# Altium PCB Copy of ECU rev B pcb.PcbDoc (part 2 of 5)
Units mm, origin at the board's own origin, x right, y up, seen from the top; angles counter-clockwise.
Board outline 142 x 125.42 mm, 4 copper layers (Top Layer, GND, Power, Bottom Layer), stack 0.603 mm thick; 577 components, 350 nets, 1799 pads, 656 vias.
Unrouted connection lines stored in the file: 28.
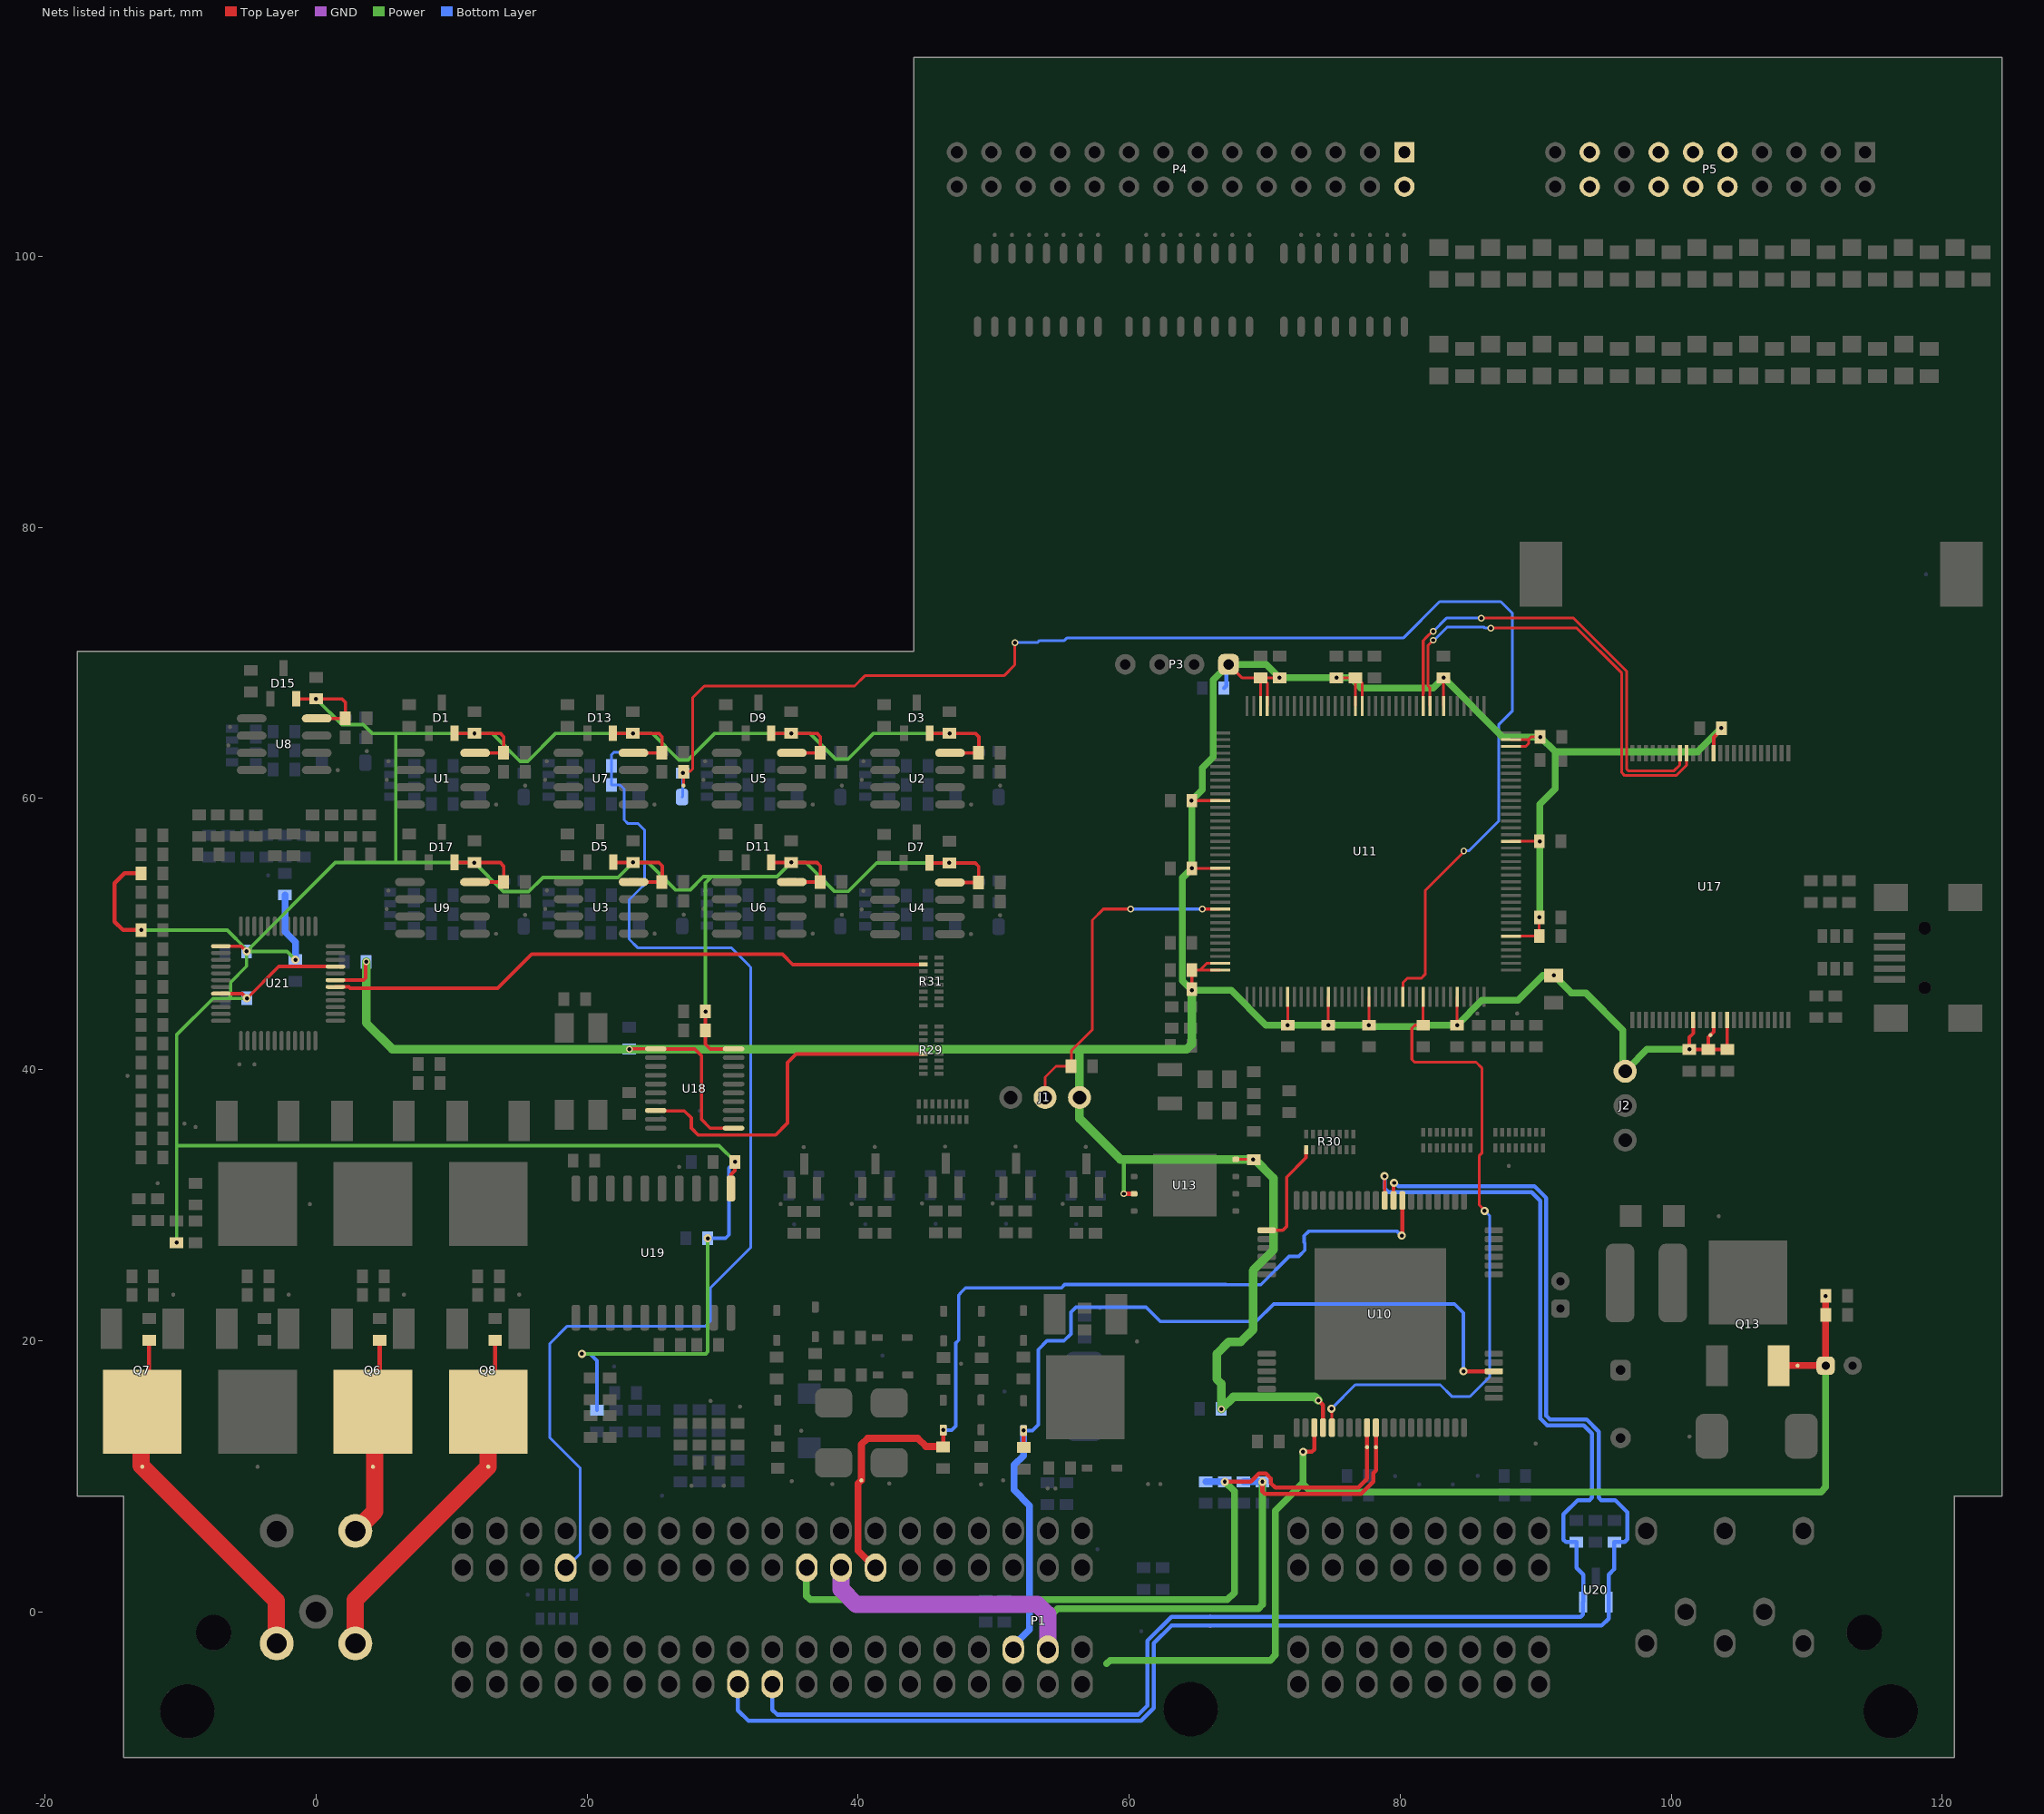
[diagram p4: the nets of this part, all layers, seen from the top]

## Components (designator, comment, footprint, x,y, rotation, side; value= is the part's Value field where it differs from the comment) (continued)
TP77 "TestPoint" TESTPOINT 34.286,30.087 r180 top (schematic designator TP51)
TP78 "TestPoint" TESTPOINT 80.293,101.581 r180 top (schematic designator TP69)
TP79 "TestPoint" TESTPOINT 79.04,101.581 r180 top (schematic designator TP70)
TP80 "TestPoint" TESTPOINT 77.77,101.581 r180 top (schematic designator TP71)
TP81 "TestPoint" TESTPOINT 76.5,101.581 r180 top (schematic designator TP72)
TP82 "TestPoint" TESTPOINT 75.23,101.581 r180 top (schematic designator TP73)
TP83 "TestPoint" TESTPOINT 73.96,101.581 r180 top (schematic designator TP74)
TP84 "TestPoint" TESTPOINT 72.69,101.581 r180 top (schematic designator TP75)
TP85 "TestPoint" TESTPOINT 68.88,101.581 r180 top (schematic designator TP83)
TP86 "TestPoint" TESTPOINT 57.704,101.581 r180 top (schematic designator TP76)
TP87 "TestPoint" TESTPOINT 67.61,101.581 r180 top (schematic designator TP84)
TP88 "TestPoint" TESTPOINT 56.434,101.581 r180 top (schematic designator TP77)
TP89 "TestPoint" TESTPOINT 66.34,101.581 r180 top (schematic designator TP85)
TP90 "TestPoint" TESTPOINT 55.164,101.581 r180 top (schematic designator TP78)
TP91 "TestPoint" TESTPOINT 65.07,101.581 r180 top (schematic designator TP86)
TP92 "TestPoint" TESTPOINT 53.894,101.581 r180 top (schematic designator TP79)
TP93 "TestPoint" TESTPOINT 63.8,101.581 r180 top (schematic designator TP87)
TP94 "TestPoint" TESTPOINT 52.624,101.581 r180 top (schematic designator TP80)
TP95 "TestPoint" TESTPOINT 62.53,101.581 r180 top (schematic designator TP88)
TP96 "TestPoint" TESTPOINT 51.354,101.581 r180 top (schematic designator TP81)
TP97 "TestPoint" TESTPOINT 61.26,101.581 r180 top (schematic designator TP89)
TP98 "TestPoint" TESTPOINT 50.084,101.581 r180 top (schematic designator TP82)
TP99 "TestPoint" TESTPOINT 26.797,32.821 r90 top (schematic designator TP53)
TP100 "TestPoint" TESTPOINT 25.527,40.259 r90 bottom (schematic designator TP54)
TP101 "TestPoint" TESTPOINT 24.511,36.957 r90 bottom (schematic designator TP55)
TP102 "TestPoint" TESTPOINT 25.4,37.592 r90 bottom (schematic designator TP56)
TP103 "TestPoint" TESTPOINT 25.526,36.449 r90 bottom (schematic designator TP57)
TP104 "TestPoint" TESTPOINT 28.321,36.957 r90 bottom (schematic designator TP58)
TP105 "TestPoint" TESTPOINT 4.201,10.704 r270 top (schematic designator TP30)
TP106 "TestPoint" TESTPOINT 6.487,23.404 r270 top (schematic designator TP29)
TP107 "TestPoint" TESTPOINT -12.817,10.704 r270 top (schematic designator TP30)
TP108 "TestPoint" TESTPOINT -10.531,23.404 r270 top (schematic designator TP29)
TP109 "TestPoint" TESTPOINT 12.71,10.704 r270 top (schematic designator TP30)
TP110 "TestPoint" TESTPOINT 14.996,23.404 r270 top (schematic designator TP29)
TP111 "TestPoint" TESTPOINT -4.308,10.704 r270 top (schematic designator TP30)
TP112 "TestPoint" TESTPOINT -2.022,23.404 r270 top (schematic designator TP29)
TP113 "TestPoint" TESTPOINT 65.972,-0.37 r90 bottom (schematic designator TP31)
TP114 "TestPoint" TESTPOINT 65.972,-1.02 r90 bottom (schematic designator TP32)
TP115 "TestPoint" TESTPOINT 60.898,-1.426 r90 bottom (schematic designator TP33)
TP116 "TestPoint" TESTPOINT 25.53,8.572 r90 bottom (schematic designator TP64)
TP117 "TestPoint" TESTPOINT 22,18.1 r90 bottom (schematic designator TP65)
TP118 "TestPoint" TESTPOINT -3.535,54.333 r90 bottom (schematic designator TP64)
TP119 "TestPoint" TESTPOINT 0.131,57.277 r90 bottom (schematic designator TP65)
TP120 "TestPoint" TESTPOINT -0.452,30.077 r270 top (schematic designator TP45)
TP121 "TestPoint" TESTPOINT -8.89,35.766 r90 top (schematic designator TP46)
TP122 "TestPoint" TESTPOINT -9.703,36.021 r90 top (schematic designator TP48)
TP123 "TestPoint" TESTPOINT -11.684,31.615 r90 top (schematic designator TP47)
TP124 "TestPoint" TESTPOINT -4.544,40.385 r90 top (schematic designator TP49)
TP125 "TestPoint" TESTPOINT -5.65,40.385 r90 top (schematic designator TP43)
TP126 "TestPoint" TESTPOINT -13.909,39.543 r90 top (schematic designator TP44)
TP127 "TestPoint" TESTPOINT 42.3,9.461 r90 top (schematic designator TP18)
TP128 "TestPoint" TESTPOINT 101.346,12.931 r90 top (schematic designator TP20)
TP129 "TestPoint" TESTPOINT 103.505,29.187 r90 top (schematic designator TP21)
TP130 "TestPoint" TESTPOINT 38.1,9.422 r90 top (schematic designator TP19)
TP131 "TestPoint" TESTPOINT 109.326,18.159 r90 top (schematic designator TP25)
TP132 "TestPoint" TESTPOINT 78.209,12.137 r0 top (schematic designator TP26)
TP133 "TestPoint" TESTPOINT 77.559,12.154 r0 top (schematic designator TP27)
TP134 "TestPoint" TESTPOINT 102.896,42.548 r90 top (schematic designator TP28)
TP135 "TestPoint" TESTPOINT 88.63,44.146 r90 top (schematic designator TP22)
TP136 "TestPoint" TESTPOINT 118.8,76.546 r90 bottom (schematic designator TP24)
TP137 "TestPoint" TESTPOINT 85.699,44.132 r90 top (schematic designator TP23)
TP138 "TestPoint" TESTPOINT 79.629,10.01 r90 bottom (schematic designator TP34)
TP139 "TestPoint" TESTPOINT 81.407,9.398 r90 bottom (schematic designator TP35)
TP140 "TestPoint" TESTPOINT 83.886,9.395 r90 bottom (schematic designator TP36)
TP141 "TestPoint" TESTPOINT 85.725,10.033 r90 bottom (schematic designator TP37)
TP142 "TestPoint" TESTPOINT 54.561,9.1 r270 top (schematic designator TP68)
TP143 "TestPoint" TESTPOINT 60.58,19.946 r270 top (schematic designator TP66)
TP144 "TestPoint" TESTPOINT 57.847,22.43 r270 top (schematic designator TP67)
TP145 "TestPoint" TESTPOINT 30.092,9.303 r90 top (schematic designator TP38)
TP146 "TestPoint" TESTPOINT 31.287,15.142 r0 top (schematic designator TP40)
TP147 "TestPoint" TESTPOINT 27.7,9.3 r90 top (schematic designator TP39)
TP148 "TestPoint" TESTPOINT 29.112,15.559 r90 top (schematic designator TP41)
TP149 "TestPoint" TESTPOINT 88.011,32.893 r90 top (schematic designator TP42)
U1 "TS912ID" SO8_N 9.338,61.462 r0 top (schematic designator U7)
U2 "TS912ID" SO8_N 44.39,61.462 r0 top (schematic designator U7)
U3 "TS912ID" SO8_N 21.035,51.94 r0 top (schematic designator U7)
U4 "TS912ID" SO8_N 44.38,51.901 r0 top (schematic designator U7)
U5 "TS912ID" SO8_N 32.706,61.462 r0 top (schematic designator U7)
U6 "TS912ID" SO8_N 32.706,51.937 r0 top (schematic designator U7)
U7 "TS912ID" SO8_N 21.022,61.462 r0 top
U8 "TS912ID" SO8_N -2.346,64.002 r0 top (schematic designator U7)
U9 "TS912ID" SO8_N 9.332,51.928 r0 top (schematic designator U7)
U10 "L9779WD-SPI" HiQUAD-64 78.534,21.971 r0 top locked (schematic designator U2)
U11 "STM32H745ZGT6" LQFP-144 77.449,56.096 r90 top locked (schematic designator U1)
U12 "USBLC6-4" SOT23-6 112.1,48.646 r0 top (schematic designator U9)
U13 "MX25L256" "WSON 8L" 64.114,31.472 r0 top (schematic designator U8)
U14 "ULQ2003D1013TR" SOIC127P600X175_HS-17M 75.865,97.517 r270 top (schematic designator U12)
U15 "ULQ2003D1013TR" SOIC127P600X175_HS-17M 64.435,97.517 r270 top (schematic designator U13)
U16 "ULQ2003D1013TR" SOIC127P600X175_HS-17M 53.259,97.517 r270 top (schematic designator U11)
U17 "MX30LFxGE8AB" TSSOP50P2000X120-48N 102.881,53.502 r270 top (schematic designator U10)
U18 "ST2378E" TSSOP20 27.94,38.608 r0 top (schematic designator U6)
U19 "HIP9011" SOIC20 30.61,31.23 r270 top (schematic designator U5)
U20 "ESDCAN24-2BLY" SOT23 94.439,1.599 r90 bottom (schematic designator U4)
U21 "L9780" LQFP-48N -2.794,46.355 r90 top (schematic designator U3)
VBAT1 "Battery holder" 796136-1 105.9,76.546 r180 top
VD1 "Diode" SOD323 12.837,63.409 r180 bottom (schematic designator VD7)
VD2 "Diode" SOD323 47.889,63.409 r180 bottom (schematic designator VD7)
VD3 "Diode" SOD323 24.534,53.887 r180 bottom (schematic designator VD7)
VD4 "Diode" SOD323 47.879,53.848 r180 bottom (schematic designator VD7)
VD5 "Diode" SOD323 36.205,63.409 r180 bottom (schematic designator VD7)
VD6 "Diode" SOD323 36.205,53.884 r180 bottom (schematic designator VD7)
VD7 "Diode" SOD323 24.521,63.409 r180 bottom
VD8 "Diode" SOD323 1.153,65.949 r180 bottom (schematic designator VD7)
VD9 "Diode" SOD323 12.831,53.875 r180 bottom (schematic designator VD7)
VD10 "Diode" DO-214AC 36.4,14.1 r270 bottom (schematic designator VD1)
VD11 "Diode" SOD323 46.42,32.325 r0 bottom (schematic designator VD6)
VD12 "Diode" SOD323 41.231,32.298 r0 bottom (schematic designator VD6)
VD13 "Diode" SOD323 56.8,32.3 r0 bottom (schematic designator VD6)
VD14 "Diode" SOD323 51.621,32.325 r0 bottom (schematic designator VD6)
VD15 "Diode" SOD323 35.986,32.287 r0 bottom (schematic designator VD6)
VD16 "Diode" SOD323 34.07,14.517 r270 bottom (schematic designator VD5)
VD17 "Diode" SOD323 42.518,20.232 r180 bottom (schematic designator VD5)
VD18 "Diode" SOD323 49.079,14.537 r270 bottom (schematic designator VD5)
VD19 "Diode" SOD323 52.202,21.123 r270 bottom (schematic designator VD5)
VD20 "Diode" SOD323 49.104,21.079 r270 bottom (schematic designator VD5)
VD21 "Diode" SOD323 42.569,17.471 r180 bottom (schematic designator VD5)
VD22 "Diode" SOD323 34,21.135 r270 bottom (schematic designator VD5)
VD23 "Diode" SOD323 52.214,14.472 r270 bottom (schematic designator VD5)
VD24 "Diode" SOD323 36.833,21.388 r270 bottom (schematic designator VD5)
VD25 "Diode" SOD323 46.317,21.086 r270 bottom (schematic designator VD5)
VD26 "Diode" SOD323 57.999,10.607 r180 bottom (schematic designator VD5)
VD27 "Diode" SOD323 46.284,14.511 r270 bottom (schematic designator VD5)
VD28 "Diode" DO-214AA 42.3,13.2 r90 top (schematic designator VD2)
VD29 "Diode" DO-214AA 38.2,13.2 r90 top (schematic designator VD3)
VD30 "Diode" DO-214AB 106.299,12.954 r180 top (schematic designator VD4)
VD31 "Diode" DO-214AA 56.7,15.9 r270 bottom (schematic designator VD8)
VD32 "TVS diode" SOD323 34.07,14.517 r90 top (schematic designator VD)
VD33 "TVS diode" SOD323 42.518,20.232 r0 top (schematic designator VD)
VD34 "TVS diode" SOD323 49.079,14.537 r90 top (schematic designator VD)
VD35 "TVS diode" SOD323 52.202,21.123 r90 top (schematic designator VD)
VD36 "TVS diode" SOD323 49.104,21.079 r90 top (schematic designator VD)
VD37 "TVS diode" SOD323 42.569,17.471 r0 top (schematic designator VD)
VD38 "TVS diode" SOD323 34,21.135 r90 top (schematic designator VD)
VD39 "TVS diode" SOD323 52.214,14.472 r90 top (schematic designator VD)
VD40 "TVS diode" SOD323 36.833,21.388 r90 top (schematic designator VD)
VD41 "TVS diode" SOD323 46.317,21.086 r90 top (schematic designator VD)
VD42 "TVS diode" SOD323 57.999,10.607 r0 top (schematic designator VD)
VD43 "TVS diode" SOD323 46.284,14.511 r90 top (schematic designator VD)
XT1 "KX-7 24.0 MHz / Geyer" KX-7 66.489,38.141 r270 top (schematic designator XT2)
XT2 "KX-327NHT 32.768 kHz / Geyer" KX–327NHT 63,38.746 r270 top (schematic designator XT3)
XT3 "6MHz" KX-13 19.558,39.878 r90 top (schematic designator XT1)

## Footprints (in the part's own frame and the unit in brackets; to place one, negate y for a bottom-side part, rotate by r counter-clockwise, add the part's x,y. Pads: shape width x height; smd on the part's side, far side on the other; paste and mask are expansions set on the pad)
796136-1 [mm] "BATTERY CONNECTOR, SURFACE MOUNT,"
  rect 3.15x4.78 smd: 1(15.52,0) 2(-15.52,0)
  silkscreen extent -14.6,-10.32 14.6,10.32, body extent -16,-10 16,10, height 5.4
1241434-1 [mm] "ECU Connector"
  round 4 hole 4: 0(-62.85,0) 0(11.2,0.15) 0(62.85,0)
  round 2.6 hole 2.6: 0(-60.9,5.8) 0(60.9,5.8)
  round 2.5 hole 1.5: 1(-56.25,5) 2(-50.45,5) 3(-53.35,7.33) 4(-56.25,13.3) 5(-50.45,13.3)
  oval 1.6x2.1 hole 1.2: 6(3.18,13.3) 7(0.64,13.3) 8(-1.9,13.3) 9(-4.44,13.3) 10(-6.98,13.3) 11(-9.52,13.3) 12(-12.06,13.3) 13(-14.6,13.3) 14(-17.14,13.3) 15(-19.68,13.3) 16(-22.22,13.3) 17(-24.76,13.3) 18(-27.3,13.3) 19(-29.84,13.3) 20(-32.38,13.3) 21(-34.92,13.3) 22(-37.46,13.3) 23(-40,13.3) 24(-42.54,13.3) 25(3.18,10.59) 26(0.64,10.59) 27(-1.9,10.59) 28(-4.44,10.59) 29(-6.98,10.59) 30(-9.52,10.59) 31(-12.06,10.59) 32(-14.6,10.59) 33(-17.14,10.59) 34(-19.68,10.59) 35(-22.22,10.59) 36(-24.76,10.59) 37(-27.3,10.59) 38(-29.84,10.59) 39(-32.38,10.59) 40(-34.92,10.59) 41(-37.46,10.59) 42(-40,10.59) 43(-42.54,10.59) 44(3.18,4.54) 45(0.64,4.54) 46(-1.9,4.54) 47(-4.44,4.54) 48(-6.98,4.54) 49(-9.52,4.54) 50(-12.06,4.54) 51(-14.6,4.54) 52(-17.14,4.54) 53(-19.68,4.54) 54(-22.22,4.54) 55(-24.76,4.54) 56(-27.3,4.54) 57(-29.84,4.54) 58(-32.38,4.54) 59(-34.92,4.54) 60(-37.46,4.54) 61(-40,4.54) 62(-42.54,4.54) 63(3.18,2) 64(0.64,2) 65(-1.9,2) 66(-4.44,2) 67(-6.98,2) 68(-9.52,2) 69(-12.06,2) 70(-14.6,2) 71(-17.14,2) 72(-19.68,2) 73(-22.22,2) 74(-24.76,2) 75(-27.3,2) 76(-29.84,2) 77(-32.38,2) 78(-34.92,2) 79(-37.46,2) 80(-40,2) 81(-42.54,2) 82(19.12,2) 83(21.66,2) 84(24.2,2) 85(26.74,2) 86(29.28,2) 87(31.82,2) 88(34.36,2) 89(36.9,2) 90(19.12,4.54) 91(21.66,4.54) 92(24.2,4.54) 93(26.74,4.54) 94(29.28,4.54) 95(31.82,4.54) 96(34.36,4.54) 97(36.9,4.54) 98(19.12,10.59) 99(21.66,10.59) 100(24.2,10.59) 101(26.74,10.59) 102(29.28,10.59) 103(31.82,10.59) 104(34.36,10.59) 105(36.9,10.59) 106(19.12,13.3) 107(21.66,13.3) 108(24.2,13.3) 109(26.74,13.3) 110(29.28,13.3) 111(31.82,13.3) 112(34.36,13.3) 113(36.9,13.3) 114(44.8,5) 115(50.6,5) 116(56.4,5) 117(47.7,7.33) 118(53.5,7.33) 119(44.8,13.3) 120(50.6,13.3) 121(56.4,13.3)
  silkscreen extent -67,-3 67,16, body extent -72,-29.18 72,17.78, height 31.3
"CAP 5x11" [mm] "Cap radial"
  round 1.35 hole 0.6: 0(1,0)
  rrect50% 1.35x1.35 hole 0.6: 1(-1,0)
  silkscreen extent -2.5,-2.5 2.5,2.5, body extent -2.48,-2.49 2,2.48, height 11.5
"CAP 10x20" [mm] "Cap radial"
  round 1.524 hole 0.7: 0(2.5,0)
  rrect50% 1.524x1.524 hole 0.7: 1(-2.5,0)
  silkscreen extent -5,-5 5,5, body extent -4.96,-4.98 4.5,4.98, height 20
DO-214AA [mil] "Diode"
  rrect50% 85x107.99 smd: 0(-87.01,0) 1(86.99,0)
  silkscreen extent -110,-75 110,75, body extent -104,-71 104,75, height 92
DO-214AB [mm] "Diode"
  rrect50% 2.4x3.3 smd: 0(-3.3,0) 1(3.3,0)
  silkscreen extent -3.55,-3.11 3.55,3.11, body extent -3.9,-2.95 3.9,2.95, height 2.5
DO-214AC [mm]
  rect 1.524x1.67 smd: 0(2,0) 1(-2,0)
  silkscreen extent -2.3,-1.45 2.3,1.45, body extent -2.5,-1.35 2.5,1.35, height 2.25
DPAK228P991X238-3M [mm] "D-PAK, 3-Pads, Body 6,20x6,72mm (max), IPC Low Density"
  rect 3x1.6 smd: 1(-4.08,2.28) 3(-4.08,-2.28)
  rect 6.2x5.8 smd: 4(2.05,0)
  silkscreen extent -4.2,-3.35 -1.45,3.76, body extent -5.2,-3.37 4.9,3.37, height 2.37
HDR2X10H [mm] "Connector; Header; 10x2 Position; Right Angle"
  rect 1.5x1.5 hole 0.9: 1(0,0)
  round 1.5 hole 0.9: 2(0,2.54) 3(2.54,0) 4(2.54,2.54) 5(5.08,0) 6(5.08,2.54) 7(7.62,0) 8(7.62,2.54) 9(10.16,0) 10(10.16,2.54) 11(12.7,0) 12(12.7,2.54) 13(15.24,0) 14(15.24,2.54) 15(17.78,0) 16(17.78,2.54) 17(20.32,0) 18(20.32,2.54) 19(22.86,0) 20(22.86,2.54)
  silkscreen extent -1.27,-6.35 24.13,-1.27
HDR2X14H [mm] "Connector; Header; 14x2 Position; Right Angle"
  rect 1.5x1.5 hole 0.9: 1(0,0)
  round 1.5 hole 0.9: 2(0,2.54) 3(2.54,0) 4(2.54,2.54) 5(5.08,0) 6(5.08,2.54) 7(7.62,0) 8(7.62,2.54) 9(10.16,0) 10(10.16,2.54) 11(12.7,0) 12(12.7,2.54) 13(15.24,0) 14(15.24,2.54) 15(17.78,0) 16(17.78,2.54) 17(20.32,0) 18(20.32,2.54) 19(22.86,0) 20(22.86,2.54) 21(25.4,0) 22(25.4,2.54) 23(27.94,0) 24(27.94,2.54) 25(30.48,0) 26(30.48,2.54) 27(33.02,0) 28(33.02,2.54)
  silkscreen extent -1.27,-6.35 34.29,-1.27
"HEADER 1x4" [mil]
  rrect50% 60x60 hole 30: 1(-150,0)
  round 60 hole 30: 2(-50,0) 3(50,0) 4(150,0)
  silkscreen extent -197,-49 197,49, body extent -200,-50 200,50, height 362
HiQUAD-64 [mm]
  rrect50% 0.45x1.35 smd: 1(-6.175,-8.382) 2(-5.525,-8.382) 3(-4.875,-8.382) 4(-4.225,-8.382) 5(-3.575,-8.382) 6(-2.925,-8.382) 7(-2.275,-8.382) 8(-1.625,-8.382) 9(-0.975,-8.382) 10(-0.325,-8.382) 11(0.325,-8.382) 12(0.975,-8.382) 13(1.625,-8.382) 14(2.275,-8.382) 15(2.925,-8.382) 16(3.575,-8.382) 17(4.225,-8.382) 18(4.875,-8.382) 19(5.525,-8.382) 20(6.175,-8.382) 33(6.175,8.382) 34(5.525,8.382) 35(4.875,8.382) 36(4.225,8.382) 37(3.575,8.382) 38(2.925,8.382) 39(2.275,8.382) 40(1.625,8.382) 41(0.975,8.382) 42(0.325,8.382) 43(-0.325,8.382) 44(-0.975,8.382) 45(-1.625,8.382) 46(-2.275,8.382) 47(-2.925,8.382) 48(-3.575,8.382) 49(-4.225,8.382) 50(-4.875,8.382) 51(-5.525,8.382) 52(-6.175,8.382)
  rrect50% 1.35x0.45 smd: 21(8.382,-6.175) 22(8.382,-5.525) 23(8.382,-4.875) 24(8.382,-4.225) 25(8.382,-3.575) 26(8.382,-2.925) 27(8.382,2.925) 28(8.382,3.575) 29(8.382,4.225) 30(8.382,4.875) 31(8.382,5.525) 32(8.382,6.175) 53(-8.382,6.175) 54(-8.382,5.525) 55(-8.382,4.875) 56(-8.382,4.225) 57(-8.382,3.575) 58(-8.382,2.925) 59(-8.382,-2.925) 60(-8.382,-3.575) 61(-8.382,-4.225) 62(-8.382,-4.875) 63(-8.382,-5.525) 64(-8.382,-6.175)
  rect 9.7x9.7 smd: 65(0,0)
  Top Layer region: -4.953,4.953 -4.953,1.397 -7.112,1.397 -7.112,-1.397 -4.953,-1.397 -4.953,-4.953 4.953,-4.953 4.953,-1.397 7.112,-1.397 7.112,1.397 4.953,1.397 4.953,4.953
  silkscreen extent -7.75,-8.25 7,7, body extent -8.7,-8.7 8.7,8.7, height 3.15
JMP3 [mm]
  round 1.7 hole 1: 1(-2.54,0) 2(0,0) 3(2.54,0)
  silkscreen extent -4.06,-1.27 4.06,1.27, body extent -4.06,-1.27 4.06,1.27, height 8.64
KX-7 [mm] "Quartz Crystal"
  rect 1.3x1.1 smd: 1(-1.15,-0.9) 2(1.15,0.9) 3(-1.15,0.9) 3(1.15,-0.9)
  silkscreen extent -2,-1.7 2,1.7, body extent -1.61,-1.25 1.61,1.25, height 0.81
KX-13 [mm] "QUARTZ CRYSTAL"
  rect 2.2x1.4 smd: 1(-3.2,-1.25) 2(3.2,1.25) 3(-3.2,1.25) 3(3.2,-1.25)
  silkscreen extent -4.65,-2.75 3.5,2.5, body extent -3.5,-2.5 3.5,2.5, height 1.35
KX–327NHT [mm] "smd xtal"
  rect 1x1.8 smd: 1(-1.25,0) 2(1.25,0)
  round 0 on Keep-Out paste+0 mask+0: 3(0,0)
  silkscreen extent -2,-1.2 2,1.2, body extent -1.6,-0.75 1.6,0.75, height 0.71
"LED 0805" [mm]
  rect 1.25x1.4 smd: 1(0,0) 2(2.35,0)
  silkscreen extent -1.18,-1 3.2,1, body extent -0.03,-0.65 2.02,0.65, height 0.41
LQFP-48N [mm] "LQFP, 48-Leads, Body 7,00x7,00mm, Pitch 0,50mm, IPC Medium Density"
  oval 1.45x0.3 smd: 1(-4.225,2.75) 2(-4.225,2.25) 3(-4.225,1.75) 4(-4.225,1.25) 5(-4.225,0.75) 6(-4.225,0.25) 7(-4.225,-0.25) 8(-4.225,-0.75) 9(-4.225,-1.25) 10(-4.225,-1.75) 11(-4.225,-2.25) 12(-4.225,-2.75) 25(4.225,-2.75) 26(4.225,-2.25) 27(4.225,-1.75) 28(4.225,-1.25) 29(4.225,-0.75) 30(4.225,-0.25) 31(4.225,0.25) 32(4.225,0.75) 33(4.225,1.25) 34(4.225,1.75) 35(4.225,2.25) 36(4.225,2.75)
  oval 0.3x1.45 smd: 13(-2.75,-4.225) 14(-2.25,-4.225) 15(-1.75,-4.225) 16(-1.25,-4.225) 17(-0.75,-4.225) 18(-0.25,-4.225) 19(0.25,-4.225) 20(0.75,-4.225) 21(1.25,-4.225) 22(1.75,-4.225) 23(2.25,-4.225) 24(2.75,-4.225) 37(2.75,4.225) 38(2.25,4.225) 39(1.75,4.225) 40(1.25,4.225) 41(0.75,4.225) 42(0.25,4.225) 43(-0.25,4.225) 44(-0.75,4.225) 45(-1.25,4.225) 46(-1.75,4.225) 47(-2.25,4.225) 48(-2.75,4.225)
  silkscreen extent -4.35,-3.1 3.1,3.57, body extent -4.49,-4.49 4.49,4.49, height 1.6
LQFP-144 [mil]
  rect 58x9 smd paste+0 mask+0: 1(-422,344.49) 2(-422,324.8) 3(-422,305.12) 4(-422,285.43) 5(-422,265.75) 6(-422,246.06) 7(-422,226.38) 8(-422,206.69) 9(-422,187.01) 10(-422,167.32) 11(-422,147.64) 12(-422,127.95) 13(-422,108.27) 14(-422,88.58) 15(-422,68.9) 16(-422,49.21) 17(-422,29.53) 18(-422,9.84) 19(-422,-9.84) 20(-422,-29.53) 21(-422,-49.21) 22(-422,-68.9) 23(-422,-88.58) 24(-422,-108.27) 25(-422,-127.95) 26(-422,-147.64) 27(-422,-167.32) 28(-422,-187.01) 29(-422,-206.69) 30(-422,-226.38) 31(-422,-246.06) 32(-422,-265.75) 33(-422,-285.43) 34(-422,-305.12) 35(-422,-324.8) 36(-422,-344.49) 73(422,-344.49) 74(422,-324.8) 75(422,-305.12) 76(422,-285.43) 77(422,-265.75) 78(422,-246.06) 79(422,-226.38) 80(422,-206.69) 81(422,-187.01) 82(422,-167.32) 83(422,-147.64) 84(422,-127.95) 85(422,-108.27) 86(422,-88.58) 87(422,-68.9) 88(422,-49.21) 89(422,-29.53) 90(422,-9.84) 91(422,9.84) 92(422,29.53) 93(422,49.21) 94(422,68.9) 95(422,88.58) 96(422,108.27) 97(422,127.95) 98(422,147.64) 99(422,167.32) 100(422,187.01) 101(422,206.69) 102(422,226.38) 103(422,246.06) 104(422,265.75) 105(422,285.43) 106(422,305.12) 107(422,324.8) 108(422,344.49)
  rect 9x58 smd paste+0 mask+0: 37(-344.49,-422) 38(-324.8,-422) 39(-305.12,-422) 40(-285.43,-422) 41(-265.75,-422) 42(-246.06,-422) 43(-226.38,-422) 44(-206.69,-422) 45(-187.01,-422) 46(-167.32,-422) 47(-147.64,-422) 48(-127.95,-422) 49(-108.27,-422) 50(-88.58,-422) 51(-68.9,-422) 52(-49.21,-422) 53(-29.53,-422) 54(-9.84,-422) 55(9.84,-422) 56(29.53,-422) 57(49.21,-422) 58(68.9,-422) 59(88.58,-422) 60(108.27,-422) 61(127.95,-422) 62(147.64,-422) 63(167.32,-422) 64(187.01,-422) 65(206.69,-422) 66(226.38,-422) 67(246.06,-422) 68(265.75,-422) 69(285.43,-422) 70(305.12,-422) 71(324.8,-422) 72(344.49,-422) 109(344.49,422) 110(324.8,422) 111(305.12,422) 112(285.43,422) 113(265.75,422) 114(246.06,422) 115(226.38,422) 116(206.69,422) 117(187.01,422) 118(167.32,422) 119(147.64,422) 120(127.95,422) 121(108.27,422) 122(88.58,422) 123(68.9,422) 124(49.21,422) 125(29.53,422) 126(9.84,422) 127(-9.84,422) 128(-29.53,422) 129(-49.21,422) 130(-68.9,422) 131(-88.58,422) 132(-108.27,422) 133(-127.95,422) 134(-147.64,422) 135(-167.32,422) 136(-187.01,422) 137(-206.69,422) 138(-226.38,422) 139(-246.06,422) 140(-265.75,422) 141(-285.43,422) 142(-305.12,422) 143(-324.8,422) 144(-344.49,422)